# Altium PCB 10515.0500_Display_System（6拼版）_V1.0_20200907.PcbDoc (part 3 of 13)
Units mm, origin at the board's own origin, x right, y up, seen from the top; angles counter-clockwise.
Board outline 157 x 228.4 mm, 4 copper layers (Top Layer, Mid-Layer 1, Mid-Layer 2, Bottom Layer); 516 components, 0 nets, 1971 pads, 894 vias.
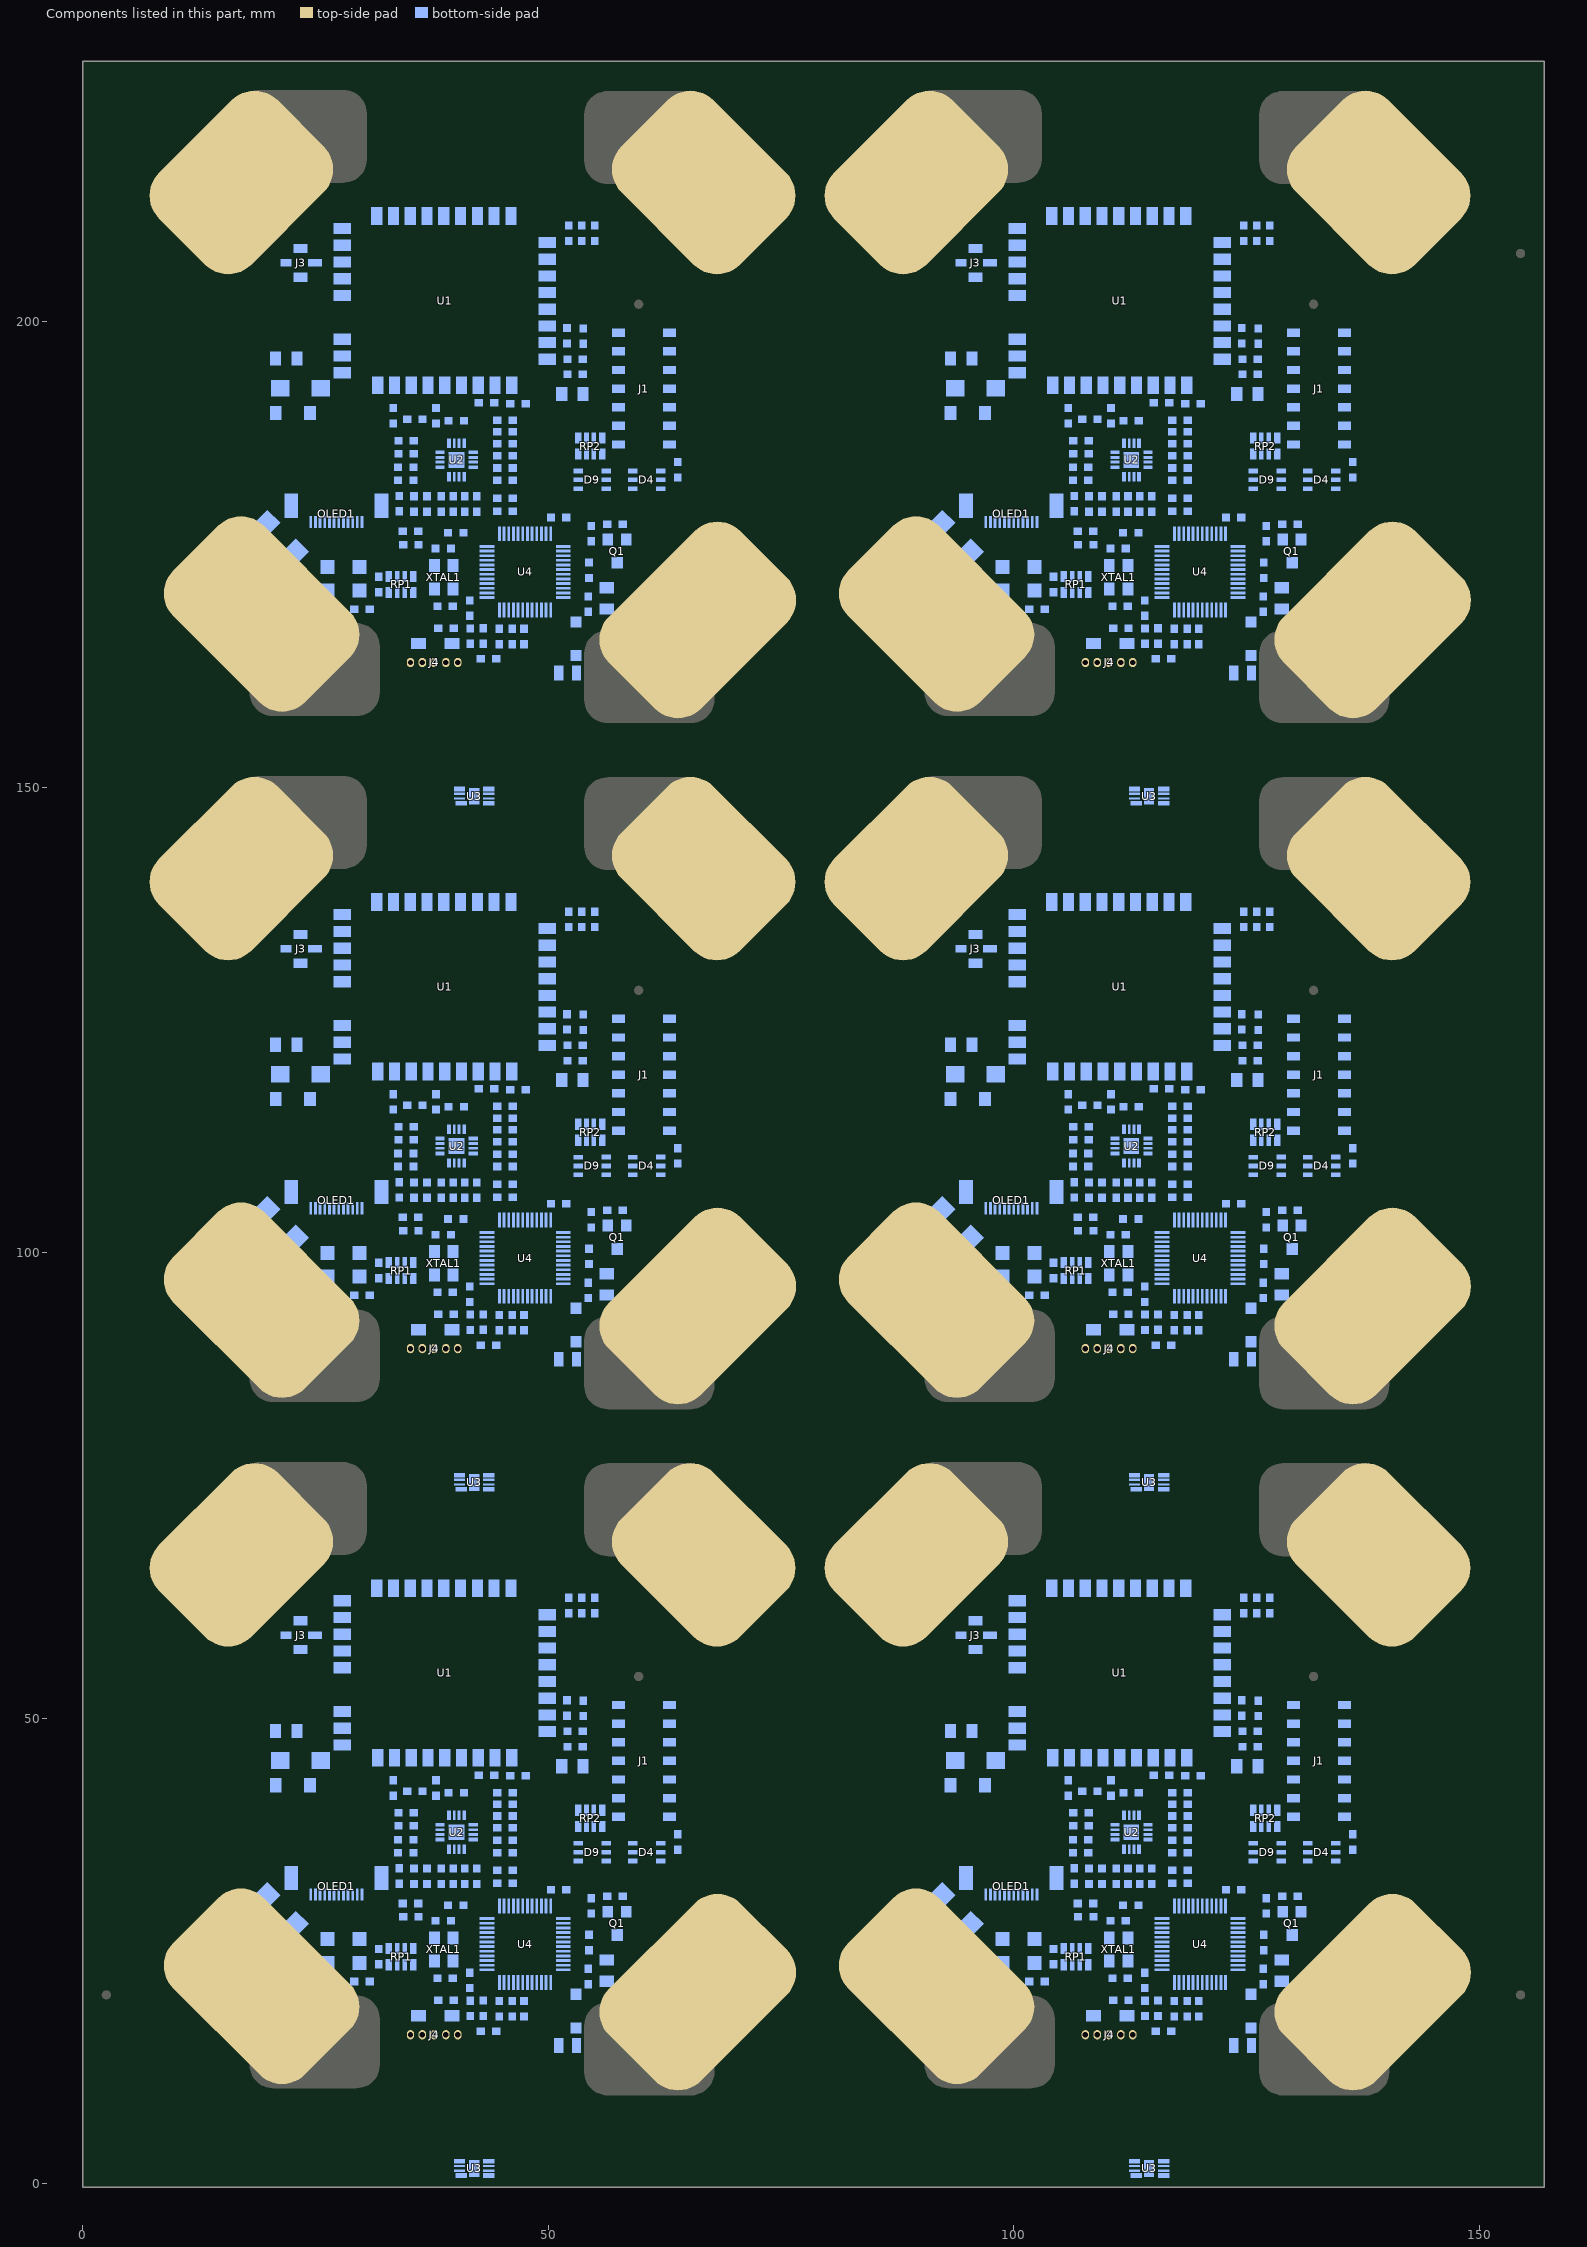
[diagram p5: the components of this part, seen from the top]

## Via types
v1: diameter 0.7, hole 0.4, Top Layer to Bottom Layer, tented both sides, 894 vias

## Nets (pads, with @x,y where several pads share a name; then routed paths per layer and width w, separated by ;. In a path a pad name is that pad's centre, name@x,y a point inside that pad or via, vN(x,y) a via of type N, cw(c..) or ccw(c..) an arc to the next point about the centre after c; other vN are vias at no path point) (continued)
copper on no net: (continued)
  Mid-Layer 1 w0.45: v1(26.452,48.895) 26.452,47.498 ; v1(26.452,122.595) 26.452,121.198 ; v1(26.452,196.295) 26.452,194.898 ; 27.595,46.355 26.452,47.498 ; 27.595,120.055 26.452,121.198 ; 27.595,193.755 26.452,194.898 ; v1(31.405,20.32) 34.199,20.32 ; v1(31.405,94.02) 34.199,94.02 ; v1(31.405,167.72) 34.199,167.72 ; 34.961,14.866 cw(c36.251,14.866) 35.339,15.778 ccw(c35.638,15.48) 35.215,15.48 ccw(c34.793,15.48) 35.092,15.778 ; 34.961,17.138 ccw(c36.251,17.138) 35.339,16.226 cw(c35.638,16.524) 35.215,16.524 cw(c34.793,16.524) 35.092,16.226 ; 34.961,88.566 cw(c36.251,88.566) 35.339,89.478 ccw(c35.638,89.18) 35.215,89.18 ccw(c34.793,89.18) 35.092,89.478 ; 34.961,90.838 ccw(c36.251,90.838) 35.339,89.926 cw(c35.638,90.224) 35.215,90.224 cw(c34.793,90.224) 35.092,89.926 ; 34.961,162.266 cw(c36.251,162.266) 35.339,163.178 ccw(c35.638,162.88) 35.215,162.88 ccw(c34.793,162.88) 35.092,163.178 ; 34.961,164.538 ccw(c36.251,164.538) 35.339,163.626 cw(c35.638,163.924) 35.215,163.924 cw(c34.793,163.924) 35.092,163.626 ; 35.215,12.446 35.914,11.747 ; 35.215,86.146 35.914,85.447 ; 35.215,159.846 35.914,159.147 ; v1(40.803,8.509) 40.803,11.43 ; v1(40.803,82.209) 40.803,85.13 ; v1(40.803,155.909) 40.803,158.83 ; 42.354,20.193 ccw(c42.354,20.928) v1@42.874,20.408 ; 42.354,93.893 ccw(c42.354,94.628) v1@42.874,94.108 ; 42.354,167.593 ccw(c42.354,168.328) v1@42.874,167.808 ; v1@43.051,20.408 ccw(c43.571,20.928) 43.571,20.193 ; v1@43.051,94.108 ccw(c43.571,94.628) 43.571,93.893 ; v1@43.051,167.808 ccw(c43.571,168.328) 43.571,167.593 ; v1@46.264,17.145 46.772,17.653 46.772,20.32 ; v1@46.264,90.845 46.772,91.353 46.772,94.02 ; v1@46.264,164.545 46.772,165.053 46.772,167.72 ; v1@46.516,17.145 cw(c47.125,17.145) 46.694,17.575 ; v1@46.516,90.845 cw(c47.125,90.845) 46.694,91.275 ; v1@46.516,164.545 cw(c47.125,164.545) 46.694,164.975 ; 50.532,20.32 35.215,20.32 ; 50.532,94.02 35.215,94.02 ; 50.532,167.72 35.215,167.72 ; 51.344,20.193 50.963,20.193 ; 51.344,93.893 50.963,93.893 ; 51.344,167.593 50.963,167.593 ; v1@51.471,17.651 ccw(c51.471,18.873) 52.335,18.009 ; v1@51.471,91.351 ccw(c51.471,92.573) 52.335,91.709 ; v1@51.471,165.051 ccw(c51.471,166.273) 52.335,165.409 ; 52.233,20.193 50.963,20.193 ; 52.233,20.32 52.233,18.288 v1(51.471,17.526) 51.852,17.526 52.36,18.034 52.36,19.431 ; 52.233,93.893 50.963,93.893 ; 52.233,94.02 52.233,91.988 v1(51.471,91.226) 51.852,91.226 52.36,91.734 52.36,93.131 ; 52.233,167.593 50.963,167.593 ; 52.233,167.72 52.233,165.688 v1(51.471,164.926) 51.852,164.926 52.36,165.434 52.36,166.831 ; 52.741,20.32 52.36,19.939 52.36,19.431 ; 52.741,94.02 52.36,93.639 52.36,93.131 ; 52.741,167.72 52.36,167.339 52.36,166.831 ; 52.868,19.939 52.36,19.431 ; 52.868,93.639 52.36,93.131 ; 52.868,167.339 52.36,166.831 ; 53.249,52.355 cw(c54.159,52.355) v1@53.516,52.998 ; 53.249,126.055 cw(c54.159,126.055) v1@53.516,126.698 ; 53.249,199.755 cw(c54.159,199.755) v1@53.516,200.398 ; v1(53.427,53.086) 53.249,53.086 53.249,47.498 ; v1(53.427,126.786) 53.249,126.786 53.249,121.198 ; v1(53.427,200.486) 53.249,200.486 53.249,194.898 ; v1(55.027,53.848) 55.027,54.991 55.408,55.372 v1(56.551,55.372) ; v1(55.027,127.548) 55.027,128.691 55.408,129.072 v1(56.551,129.072) ; v1(55.027,201.248) 55.027,202.391 55.408,202.772 v1(56.551,202.772) ; v1(98.952,48.895) 98.952,47.498 ; v1(98.952,122.595) 98.952,121.198 ; v1(98.952,196.295) 98.952,194.898 ; 100.095,46.355 98.952,47.498 ; 100.095,120.055 98.952,121.198 ; 100.095,193.755 98.952,194.898 ; v1(103.905,20.32) 106.699,20.32 ; v1(103.905,94.02) 106.699,94.02 ; v1(103.905,167.72) 106.699,167.72 ; 107.461,14.866 cw(c108.751,14.866) 107.839,15.778 ccw(c108.138,15.48) 107.715,15.48 ccw(c107.293,15.48) 107.592,15.778 ; 107.461,17.138 ccw(c108.751,17.138) 107.839,16.226 cw(c108.138,16.524) 107.715,16.524 cw(c107.293,16.524) 107.592,16.226 ; 107.461,88.566 cw(c108.751,88.566) 107.839,89.478 ccw(c108.138,89.18) 107.715,89.18 ccw(c107.293,89.18) 107.592,89.478 ; 107.461,90.838 ccw(c108.751,90.838) 107.839,89.926 cw(c108.138,90.224) 107.715,90.224 cw(c107.293,90.224) 107.592,89.926 ; 107.461,162.266 cw(c108.751,162.266) 107.839,163.178 ccw(c108.138,162.88) 107.715,162.88 ccw(c107.293,162.88) 107.592,163.178 ; 107.461,164.538 ccw(c108.751,164.538) 107.839,163.626 cw(c108.138,163.924) 107.715,163.924 cw(c107.293,163.924) 107.592,163.626 ; 107.715,12.446 108.414,11.747 ; 107.715,86.146 108.414,85.447 ; 107.715,159.846 108.414,159.147 ; v1(113.303,8.509) 113.303,11.43 ; v1(113.303,82.209) 113.303,85.13 ; v1(113.303,155.909) 113.303,158.83 ; 114.854,20.193 ccw(c114.854,20.928) v1@115.374,20.408 ; 114.854,93.893 ccw(c114.854,94.628) v1@115.374,94.108 ; 114.854,167.593 ccw(c114.854,168.328) v1@115.374,167.808 ; v1@115.551,20.408 ccw(c116.071,20.928) 116.071,20.193 ; v1@115.551,94.108 ccw(c116.071,94.628) 116.071,93.893 ; v1@115.551,167.808 ccw(c116.071,168.328) 116.071,167.593 ; v1@118.764,17.145 119.272,17.653 119.272,20.32 ; v1@118.764,90.845 119.272,91.353 119.272,94.02 ; v1@118.764,164.545 119.272,165.053 119.272,167.72 ; v1@119.016,17.145 cw(c119.625,17.145) 119.194,17.575 ; v1@119.016,90.845 cw(c119.625,90.845) 119.194,91.275 ; v1@119.016,164.545 cw(c119.625,164.545) 119.194,164.975 ; 123.032,20.32 107.715,20.32 ; 123.032,94.02 107.715,94.02 ; 123.032,167.72 107.715,167.72 ; 123.844,20.193 123.463,20.193 ; 123.844,93.893 123.463,93.893 ; 123.844,167.593 123.463,167.593 ; v1@123.971,17.651 ccw(c123.971,18.873) 124.835,18.009 ; v1@123.971,91.351 ccw(c123.971,92.573) 124.835,91.709 ; v1@123.971,165.051 ccw(c123.971,166.273) 124.835,165.409 ; 124.733,20.193 123.463,20.193 ; 124.733,20.32 124.733,18.288 v1(123.971,17.526) 124.352,17.526 124.86,18.034 124.86,19.431 ; 124.733,93.893 123.463,93.893 ; 124.733,94.02 124.733,91.988 v1(123.971,91.226) 124.352,91.226 124.86,91.734 124.86,93.131 ; 124.733,167.593 123.463,167.593 ; 124.733,167.72 124.733,165.688 v1(123.971,164.926) 124.352,164.926 124.86,165.434 124.86,166.831 ; 125.241,20.32 124.86,19.939 124.86,19.431 ; 125.241,94.02 124.86,93.639 124.86,93.131 ; 125.241,167.72 124.86,167.339 124.86,166.831 ; 125.368,19.939 124.86,19.431 ; 125.368,93.639 124.86,93.131 ; 125.368,167.339 124.86,166.831 ; 125.749,52.355 cw(c126.659,52.355) v1@126.016,52.998 ; 125.749,126.055 cw(c126.659,126.055) v1@126.016,126.698 ; 125.749,199.755 cw(c126.659,199.755) v1@126.016,200.398 ; v1(125.927,53.086) 125.749,53.086 125.749,47.498 ; v1(125.927,126.786) 125.749,126.786 125.749,121.198 ; v1(125.927,200.486) 125.749,200.486 125.749,194.898 ; v1(127.527,53.848) 127.527,54.991 127.908,55.372 v1(129.051,55.372) ; v1(127.527,127.548) 127.527,128.691 127.908,129.072 v1(129.051,129.072) ; v1(127.527,201.248) 127.527,202.391 127.908,202.772 v1(129.051,202.772) ; 26.452,47.498 26.452,46.99 27.087,46.355 52.106,46.355 ; 26.452,121.198 26.452,120.69 27.087,120.055 52.106,120.055 ; 26.452,194.898 26.452,194.39 27.087,193.755 52.106,193.755 ; 34.199,20.32 34.707,20.32 ; 34.199,20.32 34.961,19.558 34.961,12.255 35.215,12.002 ; 34.199,94.02 34.707,94.02 ; 34.199,94.02 34.961,93.258 34.961,85.955 35.215,85.701 ; 34.199,167.72 34.707,167.72 ; 34.199,167.72 34.961,166.958 34.961,159.655 35.215,159.401 ; 34.707,20.32 35.215,19.812 ; 34.707,20.32 35.215,20.32 ; 34.707,94.02 35.215,93.512 ; 34.707,94.02 35.215,94.02 ; 34.707,167.72 35.215,167.212 ; 34.707,167.72 35.215,167.72 ; 35.215,12.002 35.215,16.002 35.215,19.685 ; 35.215,12.002 35.469,11.747 ; 35.215,19.685 35.723,20.193 ; 35.215,19.685 35.215,19.812 ; 35.215,19.812 35.215,20.066 ; 35.215,20.066 35.342,20.193 35.723,20.193 ; 35.215,20.066 35.215,20.32 ; 35.215,85.701 35.215,89.702 35.215,93.385 ; 35.215,85.701 35.469,85.447 ; 35.215,93.385 35.723,93.893 ; 35.215,93.385 35.215,93.512 ; 35.215,93.512 35.215,93.766 ; 35.215,93.766 35.342,93.893 35.723,93.893 ; 35.215,93.766 35.215,94.02 ; 35.215,159.401 35.215,163.402 35.215,167.085 ; 35.215,159.401 35.469,159.147 ; 35.215,167.085 35.723,167.593 ; 35.215,167.085 35.215,167.212 ; 35.215,167.212 35.215,167.466 ; 35.215,167.466 35.342,167.593 35.723,167.593 ; 35.215,167.466 35.215,167.72 ; 35.469,11.747 35.914,11.747 ; 35.469,11.747 35.787,11.43 40.422,11.43 40.803,11.049 40.803,11.43 ; 35.469,85.447 35.914,85.447 ; 35.469,85.447 35.787,85.13 40.422,85.13 40.803,84.749 40.803,85.13 ; 35.469,159.147 35.914,159.147 ; 35.469,159.147 35.787,158.83 40.422,158.83 40.803,158.449 40.803,158.83 ; 35.723,20.193 50.963,20.193 ; 35.723,93.893 50.963,93.893 ; 35.723,167.593 50.963,167.593 ; 35.914,11.747 40.486,11.747 40.803,11.43 ; 35.914,85.447 40.486,85.447 40.803,85.13 ; 35.914,159.147 40.486,159.147 40.803,158.83 ; 52.106,46.355 52.614,46.355 53.249,46.99 53.249,47.498 ; 52.106,46.355 53.249,47.498 ; 52.106,120.055 52.614,120.055 53.249,120.69 53.249,121.198 ; 52.106,120.055 53.249,121.198 ; 52.106,193.755 52.614,193.755 53.249,194.39 53.249,194.898 ; 52.106,193.755 53.249,194.898 ; 98.952,47.498 98.952,46.99 99.587,46.355 124.606,46.355 ; 98.952,121.198 98.952,120.69 99.587,120.055 124.606,120.055 ; 98.952,194.898 98.952,194.39 99.587,193.755 124.606,193.755 ; 106.699,20.32 107.207,20.32 ; 106.699,20.32 107.461,19.558 107.461,12.255 107.715,12.002 ; 106.699,94.02 107.207,94.02 ; 106.699,94.02 107.461,93.258 107.461,85.955 107.715,85.701 ; 106.699,167.72 107.207,167.72 ; 106.699,167.72 107.461,166.958 107.461,159.655 107.715,159.401 ; 107.207,20.32 107.715,19.812 ; 107.207,20.32 107.715,20.32 ; 107.207,94.02 107.715,93.512 ; 107.207,94.02 107.715,94.02 ; 107.207,167.72 107.715,167.212 ; 107.207,167.72 107.715,167.72 ; 107.715,12.002 107.715,16.002 107.715,19.685 ; 107.715,12.002 107.969,11.747 ; 107.715,19.685 108.223,20.193 ; 107.715,19.685 107.715,19.812 ; 107.715,19.812 107.715,20.066 ; 107.715,20.066 107.842,20.193 108.223,20.193 ; 107.715,20.066 107.715,20.32 ; 107.715,85.701 107.715,89.702 107.715,93.385 ; 107.715,85.701 107.969,85.447 ; 107.715,93.385 108.223,93.893 ; 107.715,93.385 107.715,93.512 ; 107.715,93.512 107.715,93.766 ; 107.715,93.766 107.842,93.893 108.223,93.893 ; 107.715,93.766 107.715,94.02 ; 107.715,159.401 107.715,163.402 107.715,167.085 ; 107.715,159.401 107.969,159.147 ; 107.715,167.085 108.223,167.593 ; 107.715,167.085 107.715,167.212 ; 107.715,167.212 107.715,167.466 ; 107.715,167.466 107.842,167.593 108.223,167.593 ; 107.715,167.466 107.715,167.72 ; 107.969,11.747 108.414,11.747 ; 107.969,11.747 108.287,11.43 112.922,11.43 113.303,11.049 113.303,11.43 ; 107.969,85.447 108.414,85.447 ; 107.969,85.447 108.287,85.13 112.922,85.13 113.303,84.749 113.303,85.13 ; 107.969,159.147 108.414,159.147 ; 107.969,159.147 108.287,158.83 112.922,158.83 113.303,158.449 113.303,158.83 ; 108.223,20.193 123.463,20.193 ; 108.223,93.893 123.463,93.893 ; 108.223,167.593 123.463,167.593 ; 108.414,11.747 112.986,11.747 113.303,11.43 ; 108.414,85.447 112.986,85.447 113.303,85.13 ; 108.414,159.147 112.986,159.147 113.303,158.83 ; 124.606,46.355 125.114,46.355 125.749,46.99 125.749,47.498 ; 124.606,46.355 125.749,47.498 ; 124.606,120.055 125.114,120.055 125.749,120.69 125.749,121.198 ; 124.606,120.055 125.749,121.198 ; 124.606,193.755 125.114,193.755 125.749,194.39 125.749,194.898 ; 124.606,193.755 125.749,194.898
  Mid-Layer 1 w0.65: v1(31.405,20.32) 46.645,20.32 52.741,20.32 55.281,20.32 v1@57.377,22.415 ; v1(31.405,94.02) 46.645,94.02 52.741,94.02 55.281,94.02 v1@57.377,96.115 ; v1(31.405,167.72) 46.645,167.72 52.741,167.72 55.281,167.72 v1@57.377,169.815 ; v1(34.834,33.909) 40.168,33.909 ; v1(34.834,107.609) 40.168,107.609 ; v1(34.834,181.309) 40.168,181.309 ; v1(39.305,42.774) 45.756,42.774 ; v1(39.305,116.474) 45.756,116.474 ; v1(39.305,190.174) 45.756,190.174 ; v1(40.905,30.836) 40.905,33.147 ; v1(40.905,104.536) 40.905,106.847 ; v1(40.905,178.236) 40.905,180.547 ; 47.153,33.909 48.677,35.433 ; 47.153,107.609 48.677,109.133 ; 47.153,181.309 48.677,182.833 ; 48.136,43.42 48.677,42.879 ; 48.136,117.12 48.677,116.579 ; 48.136,190.82 48.677,190.279 ; 48.677,42.672 49.439,43.434 49.439,43.561 ; 48.677,43.42 48.677,35.433 ; 48.677,116.372 49.439,117.134 49.439,117.261 ; 48.677,117.12 48.677,109.133 ; 48.677,190.072 49.439,190.834 49.439,190.961 ; 48.677,190.82 48.677,182.833 ; 50.314,43.42 50.455,43.561 ; 50.314,117.12 50.455,117.261 ; 50.314,190.82 50.455,190.961 ; 50.441,43.42 50.582,43.561 ; 50.441,117.12 50.582,117.261 ; 50.441,190.82 50.582,190.961 ; v1@53.013,31.768 ccw(c53.975,32.73) 53.975,31.369 ; v1@53.013,105.468 ccw(c53.975,106.43) 53.975,105.069 ; v1@53.013,179.168 ccw(c53.975,180.13) 53.975,178.769 ; 53.357,43.42 ccw(c53.357,43.962) v1@53.74,43.579 ; 53.357,117.12 ccw(c53.357,117.662) v1@53.74,117.279 ; 53.357,190.82 ccw(c53.357,191.362) v1@53.74,190.979 ; v1@53.479,31.363 ccw(c52.995,31.254) v1(52.995,31.75) ; v1@53.479,105.063 ccw(c52.995,104.954) v1(52.995,105.45) ; v1@53.479,178.763 ccw(c52.995,178.654) v1(52.995,179.15) ; v1@53.521,31.351 cw(c54.483,30.389) 54.483,31.75 ; v1@53.521,105.051 cw(c54.483,104.089) 54.483,105.45 ; v1@53.521,178.751 cw(c54.483,177.789) 54.483,179.15 ; v1@53.775,43.579 ccw(c54.158,43.962) 54.158,43.42 ; v1@53.775,117.279 ccw(c54.158,117.662) 54.158,117.12 ; v1@53.775,190.979 ccw(c54.158,191.362) 54.158,190.82 ; v1@53.846,43.561 cw(c53.846,42.633) 54.502,43.289 ccw(c54.186,42.974) 54.186,43.42 ; v1@53.846,117.261 cw(c53.846,116.333) 54.502,116.989 ccw(c54.186,116.674) 54.186,117.12 ; v1@53.846,190.961 cw(c53.846,190.033) 54.502,190.689 ccw(c54.186,190.374) 54.186,190.82 ; v1@53.898,43.42 v1(53.757,43.561) ; v1@53.898,117.12 v1(53.757,117.261) ; v1@53.898,190.82 v1(53.757,190.961) ; 54.011,20.32 56.297,22.606 56.297,24.003 ; 54.011,94.02 56.297,96.306 56.297,97.703 ; 54.011,167.72 56.297,170.006 56.297,171.403 ; 54.519,20.32 56.297,22.098 56.297,24.003 ; v1(54.519,43.307) 55.535,42.291 ; 54.519,94.02 56.297,95.798 56.297,97.703 ; v1(54.519,117.007) 55.535,115.991 ; 54.519,167.72 56.297,169.498 56.297,171.403 ; v1(54.519,190.707) 55.535,189.691 ; v1@54.532,43.286 cw(c54.903,42.675) v1@55.408,43.18 ; v1@54.532,116.986 cw(c54.903,116.375) v1@55.408,116.88 ; v1@54.532,190.686 cw(c54.903,190.075) v1@55.408,190.58 ; v1@54.544,43.307 ccw(c55.831,43.307) 54.921,42.397 ; v1@54.544,117.007 ccw(c55.831,117.007) 54.921,116.097 ; v1@54.544,190.707 ccw(c55.831,190.707) 54.921,189.797 ; v1@54.608,43.561 cw(c54.608,42.633) v1@55.264,43.289 ; v1@54.608,117.261 cw(c54.608,116.333) v1@55.264,116.989 ; v1@54.608,190.961 cw(c54.608,190.033) v1@55.264,190.689 ; 54.646,31.75 55.535,32.639 ; 54.646,105.45 55.535,106.339 ; 54.646,179.15 55.535,180.039 ; 54.852,43.42 ccw(c54.852,42.974) 54.537,43.289 cw(c55.193,42.633) v1@55.193,43.561 ; 54.852,117.12 ccw(c54.852,116.674) 54.537,116.989 cw(c55.193,116.333) v1@55.193,117.261 ; 54.852,190.82 ccw(c54.852,190.374) 54.537,190.689 cw(c55.193,190.033) v1@55.193,190.961 ; 54.948,43.42 cw(c54.948,42.974) v1@55.264,43.289 ; 54.948,117.12 cw(c54.948,116.674) v1@55.264,116.989 ; 54.948,190.82 cw(c54.948,190.374) v1@55.264,190.689 ; v1@55.137,34.018 cw(c54.174,33.056) 55.535,33.056 ; v1@55.137,34.054 ccw(c54.174,35.016) 55.535,35.016 ; v1@55.137,107.718 cw(c54.174,106.756) 55.535,106.756 ; v1@55.137,107.754 ccw(c54.174,108.716) 55.535,108.716 ; v1@55.137,181.418 cw(c54.174,180.456) 55.535,180.456 ; v1@55.137,181.454 ccw(c54.174,182.416) 55.535,182.416 ; 55.154,32.258 v1(55.154,34.036) ; 55.154,105.958 v1(55.154,107.736) ; 55.154,179.658 v1(55.154,181.436) ; v1(55.281,43.307) v1@55.168,43.42 ; v1(55.281,117.007) v1@55.168,117.12 ; v1(55.281,190.707) v1@55.168,190.82 ; v1@55.294,43.286 cw(c55.665,42.675) 56.17,43.18 ; v1@55.294,116.986 cw(c55.665,116.375) 56.17,116.88 ; v1@55.294,190.686 cw(c55.665,190.075) 56.17,190.58 ; v1@55.295,33.796 55.535,34.036 ; v1@55.295,107.496 55.535,107.736 ; v1@55.295,181.196 55.535,181.436 ; v1@55.302,43.294 cw(c55.789,42.984) 55.789,43.561 ; v1@55.302,116.994 cw(c55.789,116.684) 55.789,117.261 ; v1@55.302,190.694 cw(c55.789,190.384) 55.789,190.961 ; 55.535,34.798 55.535,36.068 ; 55.535,41.783 v1(53.757,43.561) ; 55.535,42.633 ccw(c54.608,42.633) v1@55.264,43.289 ; 55.535,108.498 55.535,109.768 ; 55.535,115.483 v1(53.757,117.261) ; 55.535,116.333 ccw(c54.608,116.333) v1@55.264,116.989 ; 55.535,182.198 55.535,183.468 ; 55.535,189.183 v1(53.757,190.961) ; 55.535,190.033 ccw(c54.608,190.033) v1@55.264,190.689 ; 56.043,35.941 56.805,36.703 ; 56.043,37.465 56.805,36.703 ; 56.043,109.641 56.805,110.403 ; 56.043,111.165 56.805,110.403 ; 56.043,183.341 56.805,184.103 ; 56.043,184.865 56.805,184.103 ; 56.678,22.225 56.678,25.019 ; 56.678,23.622 v1(57.567,22.733) ; 56.678,24.638 56.678,25.019 ; 56.678,35.941 57.44,36.703 ; 56.678,37.465 57.44,36.703 ; 56.678,95.925 56.678,98.719 ; 56.678,97.322 v1(57.567,96.433) ; 56.678,98.338 56.678,98.719 ; 56.678,109.641 57.44,110.403 ; 56.678,111.165 57.44,110.403 ; 56.678,169.625 56.678,172.419 ; 56.678,171.022 v1(57.567,170.133) ; 56.678,172.038 56.678,172.419 ; 56.678,183.341 57.44,184.103 ; 56.678,184.865 57.44,184.103 ; 56.874,21.913 cw(c57.567,21.22) v1@57.567,22.2 ; 56.874,95.613 cw(c57.567,94.92) v1@57.567,95.9 ; 56.874,169.313 cw(c57.567,168.62) v1@57.567,169.6 ; 57.165,23.135 cw(c56.256,22.225) v1@57.542,22.225 ; 57.165,96.835 cw(c56.256,95.925) v1@57.542,95.925 ; 57.165,170.535 cw(c56.256,169.625) v1@57.542,169.625 ; v1@57.543,22.737 cw(c56.932,22.845) 56.932,22.225 v1(57.567,22.225) v1(57.567,22.733) ; v1@57.543,96.437 cw(c56.932,96.545) 56.932,95.925 v1(57.567,95.925) v1(57.567,96.433) ; v1@57.543,170.137 cw(c56.932,170.245) 56.932,169.625 v1(57.567,169.625) v1(57.567,170.133) ; v1@57.548,22.209 ccw(c56.424,21.266) 56.424,22.733 v1(57.567,22.733) ; v1@57.548,95.909 ccw(c56.424,94.966) 56.424,96.433 v1(57.567,96.433) ; v1@57.548,169.609 ccw(c56.424,168.666) 56.424,170.133 v1(57.567,170.133) ; v1(61.057,35.621) 61.057,36.261 60.615,36.703 60.107,36.703 ; v1@61.057,35.753 60.107,36.703 ; v1(61.057,109.321) 61.057,109.961 60.615,110.403 60.107,110.403 ; v1@61.057,109.453 60.107,110.403 ; v1(61.057,183.021) 61.057,183.661 60.615,184.103 60.107,184.103 ; v1@61.057,183.153 60.107,184.103 ; v1(103.905,20.32) 119.145,20.32 125.241,20.32 127.781,20.32 v1@129.877,22.415 ; v1(103.905,94.02) 119.145,94.02 125.241,94.02 127.781,94.02 v1@129.877,96.115 ; v1(103.905,167.72) 119.145,167.72 125.241,167.72 127.781,167.72 v1@129.877,169.815 ; v1(107.334,33.909) 112.668,33.909 ; v1(107.334,107.609) 112.668,107.609 ; v1(107.334,181.309) 112.668,181.309 ; v1(111.805,42.774) 118.256,42.774 ; v1(111.805,116.474) 118.256,116.474 ; v1(111.805,190.174) 118.256,190.174 ; v1(113.405,30.836) 113.405,33.147 ; v1(113.405,104.536) 113.405,106.847 ; v1(113.405,178.236) 113.405,180.547 ; 119.653,33.909 121.177,35.433 ; 119.653,107.609 121.177,109.133 ; 119.653,181.309 121.177,182.833 ; 120.636,43.42 121.177,42.879 ; 120.636,117.12 121.177,116.579 ; 120.636,190.82 121.177,190.279 ; 121.177,42.672 121.939,43.434 121.939,43.561 ; 121.177,43.42 121.177,35.433 ; 121.177,116.372 121.939,117.134 121.939,117.261 ; 121.177,117.12 121.177,109.133 ; 121.177,190.072 121.939,190.834 121.939,190.961 ; 121.177,190.82 121.177,182.833 ; 122.814,43.42 122.955,43.561 ; 122.814,117.12 122.955,117.261 ; 122.814,190.82 122.955,190.961 ; 122.941,43.42 123.082,43.561 ; 122.941,117.12 123.082,117.261 ; 122.941,190.82 123.082,190.961 ; v1@125.513,31.768 ccw(c126.475,32.73) 126.475,31.369 ; v1@125.513,105.468 ccw(c126.475,106.43) 126.475,105.069 ; v1@125.513,179.168 ccw(c126.475,180.13) 126.475,178.769 ; 125.857,43.42 ccw(c125.857,43.962) v1@126.24,43.579 ; 125.857,117.12 ccw(c125.857,117.662) v1@126.24,117.279 ; 125.857,190.82 ccw(c125.857,191.362) v1@126.24,190.979 ; v1@125.979,31.363 ccw(c125.495,31.254) v1(125.495,31.75) ; v1@125.979,105.063 ccw(c125.495,104.954) v1(125.495,105.45) ; v1@125.979,178.763 ccw(c125.495,178.654) v1(125.495,179.15) ; v1@126.021,31.351 cw(c126.983,30.389) 126.983,31.75 ; v1@126.021,105.051 cw(c126.983,104.089) 126.983,105.45 ; v1@126.021,178.751 cw(c126.983,177.789) 126.983,179.15 ; v1@126.275,43.579 ccw(c126.658,43.962) 126.658,43.42 ; v1@126.275,117.279 ccw(c126.658,117.662) 126.658,117.12 ; v1@126.275,190.979 ccw(c126.658,191.362) 126.658,190.82 ; v1@126.346,43.561 cw(c126.346,42.633) 127.002,43.289 ccw(c126.686,42.974) 126.686,43.42 ; v1@126.346,117.261 cw(c126.346,116.333) 127.002,116.989 ccw(c126.686,116.674) 126.686,117.12 ; v1@126.346,190.961 cw(c126.346,190.033) 127.002,190.689 ccw(c126.686,190.374) 126.686,190.82 ; v1@126.398,43.42 v1(126.257,43.561) ; v1@126.398,117.12 v1(126.257,117.261) ; v1@126.398,190.82 v1(126.257,190.961) ; 126.511,20.32 128.797,22.606 128.797,24.003 ; 126.511,94.02 128.797,96.306 128.797,97.703 ; 126.511,167.72 128.797,170.006 128.797,171.403 ; 127.019,20.32 128.797,22.098 128.797,24.003 ; v1(127.019,43.307) 128.035,42.291 ; 127.019,94.02 128.797,95.798 128.797,97.703 ; v1(127.019,117.007) 128.035,115.991 ; 127.019,167.72 128.797,169.498 128.797,171.403 ; v1(127.019,190.707) 128.035,189.691 ; v1@127.032,43.286 cw(c127.403,42.675) v1@127.908,43.18 ; v1@127.032,116.986 cw(c127.403,116.375) v1@127.908,116.88 ; v1@127.032,190.686 cw(c127.403,190.075) v1@127.908,190.58 ; v1@127.044,43.307 ccw(c128.331,43.307) 127.421,42.397 ; v1@127.044,117.007 ccw(c128.331,117.007) 127.421,116.097 ; v1@127.044,190.707 ccw(c128.331,190.707) 127.421,189.797 ; v1@127.108,43.561 cw(c127.108,42.633) v1@127.764,43.289 ; v1@127.108,117.261 cw(c127.108,116.333) v1@127.764,116.989 ; v1@127.108,190.961 cw(c127.108,190.033) v1@127.764,190.689 ; 127.146,31.75 128.035,32.639 ; 127.146,105.45 128.035,106.339 ; 127.146,179.15 128.035,180.039 ; 127.352,43.42 ccw(c127.352,42.974) 127.037,43.289 cw(c127.693,42.633) v1@127.693,43.561 ; 127.352,117.12 ccw(c127.352,116.674) 127.037,116.989 cw(c127.693,116.333) v1@127.693,117.261 ; 127.352,190.82 ccw(c127.352,190.374) 127.037,190.689 cw(c127.693,190.033) v1@127.693,190.961 ; 127.448,43.42 cw(c127.448,42.974) v1@127.764,43.289 ; 127.448,117.12 cw(c127.448,116.674) v1@127.764,116.989 ; 127.448,190.82 cw(c127.448,190.374) v1@127.764,190.689 ; v1@127.637,34.018 cw(c126.674,33.056) 128.035,33.056 ; v1@127.637,34.054 ccw(c126.674,35.016) 128.035,35.016 ; v1@127.637,107.718 cw(c126.674,106.756) 128.035,106.756 ; v1@127.637,107.754 ccw(c126.674,108.716) 128.035,108.716 ; v1@127.637,181.418 cw(c126.674,180.456) 128.035,180.456 ; v1@127.637,181.454 ccw(c126.674,182.416) 128.035,182.416 ; 127.654,32.258 v1(127.654,34.036) ; 127.654,105.958 v1(127.654,107.736) ; 127.654,179.658 v1(127.654,181.436) ; v1(127.781,43.307) v1@127.668,43.42 ; v1(127.781,117.007) v1@127.668,117.12 ; v1(127.781,190.707) v1@127.668,190.82 ; v1@127.794,43.286 cw(c128.165,42.675) 128.67,43.18 ; v1@127.794,116.986 cw(c128.165,116.375) 128.67,116.88 ; v1@127.794,190.686 cw(c128.165,190.075) 128.67,190.58 ; v1@127.795,33.796 128.035,34.036 ; v1@127.795,107.496 128.035,107.736 ; v1@127.795,181.196 128.035,181.436 ; v1@127.802,43.294 cw(c128.289,42.984) 128.289,43.561 ; v1@127.802,116.994 cw(c128.289,116.684) 128.289,117.261 ; v1@127.802,190.694 cw(c128.289,190.384) 128.289,190.961 ; 128.035,34.798 128.035,36.068 ; 128.035,41.783 v1(126.257,43.561) ; 128.035,42.633 ccw(c127.108,42.633) v1@127.764,43.289 ; 128.035,108.498 128.035,109.768 ; 128.035,115.483 v1(126.257,117.261) ; 128.035,116.333 ccw(c127.108,116.333) v1@127.764,116.989 ; 128.035,182.198 128.035,183.468 ; 128.035,189.183 v1(126.257,190.961) ; 128.035,190.033 ccw(c127.108,190.033) v1@127.764,190.689 ; 128.543,35.941 129.305,36.703 ; 128.543,37.465 129.305,36.703 ; 128.543,109.641 129.305,110.403 ; 128.543,111.165 129.305,110.403 ; 128.543,183.341 129.305,184.103 ; 128.543,184.865 129.305,184.103 ; 129.178,22.225 129.178,25.019 ; 129.178,23.622 v1(130.067,22.733) ; 129.178,24.638 129.178,25.019 ; 129.178,35.941 129.94,36.703 ; 129.178,37.465 129.94,36.703 ; 129.178,95.925 129.178,98.719 ; 129.178,97.322 v1(130.067,96.433) ; 129.178,98.338 129.178,98.719 ; 129.178,109.641 129.94,110.403 ; 129.178,111.165 129.94,110.403 ; 129.178,169.625 129.178,172.419 ; 129.178,171.022 v1(130.067,170.133) ; 129.178,172.038 129.178,172.419 ; 129.178,183.341 129.94,184.103 ; 129.178,184.865 129.94,184.103 ; 129.374,21.913 cw(c130.067,21.22) v1@130.067,22.2 ; 129.374,95.613 cw(c130.067,94.92) v1@130.067,95.9 ; 129.374,169.313 cw(c130.067,168.62) v1@130.067,169.6 ; 129.665,23.135 cw(c128.756,22.225) v1@130.042,22.225 ; 129.665,96.835 cw(c128.756,95.925) v1@130.042,95.925 ; 129.665,170.535 cw(c128.756,169.625) v1@130.042,169.625 ; v1@130.043,22.737 cw(c129.432,22.845) 129.432,22.225 v1(130.067,22.225) v1(130.067,22.733) ; v1@130.043,96.437 cw(c129.432,96.545) 129.432,95.925 v1(130.067,95.925) v1(130.067,96.433) ; v1@130.043,170.137 cw(c129.432,170.245) 129.432,169.625 v1(130.067,169.625) v1(130.067,170.133) ; v1@130.048,22.209 ccw(c128.924,21.266) 128.924,22.733 v1(130.067,22.733) ; v1@130.048,95.909 ccw(c128.924,94.966) 128.924,96.433 v1(130.067,96.433) ; v1@130.048,169.609 ccw(c128.924,168.666) 128.924,170.133 v1(130.067,170.133) ; v1(133.557,35.621) 133.557,36.261 133.115,36.703 132.607,36.703 ; v1@133.557,35.753 132.607,36.703 ; v1(133.557,109.321) 133.557,109.961 133.115,110.403 132.607,110.403 ; v1@133.557,109.453 132.607,110.403 ; v1(133.557,183.021) 133.557,183.661 133.115,184.103 132.607,184.103 ; v1@133.557,183.153 132.607,184.103 ; 40.168,33.909 40.905,33.909 ; 40.168,33.909 40.905,33.172 ; 40.168,107.609 40.905,107.609 ; 40.168,107.609 40.905,106.872 ; 40.168,181.309 40.905,181.309 ; 40.168,181.309 40.905,180.572 ; 40.905,33.147 40.905,33.172 ; 40.905,33.147 41.667,33.909 ; 40.905,33.172 40.905,33.909 ; 40.905,33.909 41.667,33.909 ; 40.905,106.847 40.905,106.872 ; 40.905,106.847 41.667,107.609 ; 40.905,106.872 40.905,107.609 ; 40.905,107.609 41.667,107.609 ; 40.905,180.547 40.905,180.572 ; 40.905,180.547 41.667,181.309 ; 40.905,180.572 40.905,181.309 ; 40.905,181.309 41.667,181.309 ; 41.667,33.909 v1(43.216,33.909) 47.788,33.909 48.677,34.798 48.677,35.433 ; 41.667,107.609 v1(43.216,107.609) 47.788,107.609 48.677,108.498 48.677,109.133 ; 41.667,181.309 v1(43.216,181.309) 47.788,181.309 48.677,182.198 48.677,182.833 ; 45.756,42.774 46.544,43.561 47.153,43.561 ; 45.756,42.774 46.366,42.774 ; 45.756,116.474 46.544,117.261 47.153,117.261 ; 45.756,116.474 46.366,116.474 ; 45.756,190.174 46.544,190.961 47.153,190.961 ; 45.756,190.174 46.366,190.174 ; 46.366,42.774 47.153,43.561 ; 46.366,42.774 47.012,43.42 v1@55.168,43.42 ; 46.366,116.474 47.153,117.261 ; 46.366,116.474 47.012,117.12 v1@55.168,117.12 ; 46.366,190.174 47.153,190.961 ; 46.366,190.174 47.012,190.82 v1@55.168,190.82 ; 47.153,43.561 49.439,43.561 ; 47.153,117.261 49.439,117.261 ; 47.153,190.961 49.439,190.961 ; 49.439,43.561 50.455,43.561 ; 49.439,117.261 50.455,117.261 ; 49.439,190.961 50.455,190.961 ; 50.455,43.561 50.582,43.561 ; 50.455,117.261 50.582,117.261 ; 50.455,190.961 50.582,190.961 ; 50.582,43.561 52.106,43.561 ; 50.582,117.261 52.106,117.261 ; 50.582,190.961 52.106,190.961 ; 52.106,43.561 v1(53.757,43.561) ; 52.106,43.561 55.027,43.561 ; 52.106,117.261 v1(53.757,117.261) ; 52.106,117.261 55.027,117.261 ; 52.106,190.961 v1(53.757,190.961) ; 52.106,190.961 55.027,190.961 ; v1(52.995,31.75) 55.154,31.75 55.535,32.131 55.535,32.639 ; v1(52.995,31.75) 53.376,31.369 55.408,31.369 ; v1(52.995,105.45) 55.154,105.45 55.535,105.831 55.535,106.339 ; v1(52.995,105.45) 53.376,105.069 55.408,105.069 ; v1(52.995,179.15) 55.154,179.15 55.535,179.531 55.535,180.039 ; v1(52.995,179.15) 53.376,178.769 55.408,178.769 ; 55.027,43.561 ccw(c55.027,42.984) 54.54,43.294 cw(c55.027,42.984) 55.027,43.561 ; 55.027,43.561 v1@55.168,43.42 ; 55.027,43.561 55.789,43.561 ; 55.027,117.261 ccw(c55.027,116.684) 54.54,116.994 cw(c55.027,116.684) 55.027,117.261 ; 55.027,117.261 v1@55.168,117.12 ; 55.027,117.261 55.789,117.261 ; 55.027,190.961 ccw(c55.027,190.384) 54.54,190.694 cw(c55.027,190.384) 55.027,190.961 ; 55.027,190.961 v1@55.168,190.82 ; 55.027,190.961 55.789,190.961 ; v1@55.168,43.42 55.535,43.053 55.535,36.703 ; v1@55.168,117.12 55.535,116.753 55.535,110.403 ; v1@55.168,190.82 55.535,190.453 55.535,184.103 ; 55.408,31.369 56.043,32.004 ; 55.408,31.369 56.043,31.369 ; 55.408,31.369 56.297,30.48 56.297,24.003 ; 55.408,105.069 56.043,105.704 ; 55.408,105.069 56.043,105.069 ; 55.408,105.069 56.297,104.18 56.297,97.703 ; 55.408,178.769 56.043,179.404 ; 55.408,178.769 56.043,178.769 ; 55.408,178.769 56.297,177.88 56.297,171.403 ; 55.535,32.639 55.535,36.068 ; 55.535,36.068 55.535,36.703 ; 55.535,36.703 56.805,36.703 ; 55.535,106.339 55.535,109.768 ; 55.535,109.768 55.535,110.403 ; 55.535,110.403 56.805,110.403 ; 55.535,180.039 55.535,183.468 ; 55.535,183.468 55.535,184.103 ; 55.535,184.103 56.805,184.103 ; 55.789,43.561 56.043,43.307 ; 55.789,117.261 56.043,117.007 ; 55.789,190.961 56.043,190.707 ; 56.043,31.369 56.678,30.734 ; 56.043,31.369 56.043,32.385 ; 56.043,32.004 56.043,32.385 ; 56.043,32.004 56.678,31.369 ; 56.043,32.385 56.043,43.307 ; 56.043,43.307 56.678,42.672 56.678,31.369 ; 56.043,105.069 56.678,104.434 ; 56.043,105.069 56.043,106.085 ; 56.043,105.704 56.043,106.085 ; 56.043,105.704 56.678,105.069 ; 56.043,106.085 56.043,117.007 ; 56.043,117.007 56.678,116.372 56.678,105.069 ; 56.043,178.769 56.678,178.134 ; 56.043,178.769 56.043,179.785 ; 56.043,179.404 56.043,179.785 ; 56.043,179.404 56.678,178.769 ; 56.043,179.785 56.043,190.707 ; 56.043,190.707 56.678,190.072 56.678,178.769 ; 56.678,25.019 56.678,30.734 ; 56.678,30.734 56.678,31.369 ; 56.678,98.719 56.678,104.434 ; 56.678,104.434 56.678,105.069 ; 56.678,172.419 56.678,178.134 ; 56.678,178.134 56.678,178.769 ; 56.805,36.703 57.44,36.703 ; 56.805,110.403 57.44,110.403 ; 56.805,184.103 57.44,184.103 ; 57.44,36.703 60.107,36.703 ; 57.44,110.403 60.107,110.403 ; 57.44,184.103 60.107,184.103 ; 112.668,33.909 113.405,33.909 ; 112.668,33.909 113.405,33.172 ; 112.668,107.609 113.405,107.609 ; 112.668,107.609 113.405,106.872 ; 112.668,181.309 113.405,181.309 ; 112.668,181.309 113.405,180.572 ; 113.405,33.147 113.405,33.172 ; 113.405,33.147 114.167,33.909 ; 113.405,33.172 113.405,33.909 ; 113.405,33.909 114.167,33.909 ; 113.405,106.847 113.405,106.872 ; 113.405,106.847 114.167,107.609 ; 113.405,106.872 113.405,107.609 ; 113.405,107.609 114.167,107.609 ; 113.405,180.547 113.405,180.572 ; 113.405,180.547 114.167,181.309 ; 113.405,180.572 113.405,181.309 ; 113.405,181.309 114.167,181.309 ; 114.167,33.909 v1(115.716,33.909) 120.288,33.909 121.177,34.798 121.177,35.433 ; 114.167,107.609 v1(115.716,107.609) 120.288,107.609 121.177,108.498 121.177,109.133 ; 114.167,181.309 v1(115.716,181.309) 120.288,181.309 121.177,182.198 121.177,182.833 ; 118.256,42.774 119.044,43.561 119.653,43.561 ; 118.256,42.774 118.866,42.774 ; 118.256,116.474 119.044,117.261 119.653,117.261 ; 118.256,116.474 118.866,116.474 ; 118.256,190.174 119.044,190.961 119.653,190.961 ; 118.256,190.174 118.866,190.174 ; 118.866,42.774 119.653,43.561 ; 118.866,42.774 119.512,43.42 v1@127.668,43.42 ; 118.866,116.474 119.653,117.261 ; 118.866,116.474 119.512,117.12 v1@127.668,117.12 ; 118.866,190.174 119.653,190.961 ; 118.866,190.174 119.512,190.82 v1@127.668,190.82 ; 119.653,43.561 121.939,43.561 ; 119.653,117.261 121.939,117.261 ; 119.653,190.961 121.939,190.961 ; 121.939,43.561 122.955,43.561 ; 121.939,117.261 122.955,117.261 ; 121.939,190.961 122.955,190.961 ; 122.955,43.561 123.082,43.561 ; 122.955,117.261 123.082,117.261 ; 122.955,190.961 123.082,190.961 ; 123.082,43.561 124.606,43.561 ; 123.082,117.261 124.606,117.261 ; 123.082,190.961 124.606,190.961 ; 124.606,43.561 v1(126.257,43.561) ; 124.606,43.561 127.527,43.561 ; 124.606,117.261 v1(126.257,117.261) ; 124.606,117.261 127.527,117.261 ; 124.606,190.961 v1(126.257,190.961) ; 124.606,190.961 127.527,190.961 ; v1(125.495,31.75) 127.654,31.75 128.035,32.131 128.035,32.639 ; v1(125.495,31.75) 125.876,31.369 127.908,31.369 ; v1(125.495,105.45) 127.654,105.45 128.035,105.831 128.035,106.339 ; v1(125.495,105.45) 125.876,105.069 127.908,105.069 ; v1(125.495,179.15) 127.654,179.15 128.035,179.531 128.035,180.039 ; v1(125.495,179.15) 125.876,178.769 127.908,178.769 ; 127.527,43.561 ccw(c127.527,42.984) 127.04,43.294 cw(c127.527,42.984) 127.527,43.561 ; 127.527,43.561 v1@127.668,43.42 ; 127.527,43.561 128.289,43.561 ; 127.527,117.261 ccw(c127.527,116.684) 127.04,116.994 cw(c127.527,116.684) 127.527,117.261 ; 127.527,117.261 v1@127.668,117.12 ; 127.527,117.261 128.289,117.261 ; 127.527,190.961 ccw(c127.527,190.384) 127.04,190.694 cw(c127.527,190.384) 127.527,190.961 ; 127.527,190.961 v1@127.668,190.82 ; 127.527,190.961 128.289,190.961 ; v1@127.668,43.42 128.035,43.053 128.035,36.703 ; v1@127.668,117.12 128.035,116.753 128.035,110.403 ; v1@127.668,190.82 128.035,190.453 128.035,184.103 ; 127.908,31.369 128.543,32.004 ; 127.908,31.369 128.543,31.369 ; 127.908,31.369 128.797,30.48 128.797,24.003 ; 127.908,105.069 128.543,105.704 ; 127.908,105.069 128.543,105.069 ; 127.908,105.069 128.797,104.18 128.797,97.703 ; 127.908,178.769 128.543,179.404 ; 127.908,178.769 128.543,178.769 ; 127.908,178.769 128.797,177.88 128.797,171.403 ; 128.035,32.639 128.035,36.068 ; 128.035,36.068 128.035,36.703 ; 128.035,36.703 129.305,36.703 ; 128.035,106.339 128.035,109.768 ; 128.035,109.768 128.035,110.403 ; 128.035,110.403 129.305,110.403 ; 128.035,180.039 128.035,183.468 ; 128.035,183.468 128.035,184.103 ; 128.035,184.103 129.305,184.103 ; 128.289,43.561 128.543,43.307 ; 128.289,117.261 128.543,117.007 ; 128.289,190.961 128.543,190.707 ; 128.543,31.369 129.178,30.734 ; 128.543,31.369 128.543,32.385 ; 128.543,32.004 128.543,32.385 ; 128.543,32.004 129.178,31.369 ; 128.543,32.385 128.543,43.307 ; 128.543,43.307 129.178,42.672 129.178,31.369 ; 128.543,105.069 129.178,104.434 ; 128.543,105.069 128.543,106.085 ; 128.543,105.704 128.543,106.085 ; 128.543,105.704 129.178,105.069 ; 128.543,106.085 128.543,117.007 ; 128.543,117.007 129.178,116.372 129.178,105.069 ; 128.543,178.769 129.178,178.134 ; 128.543,178.769 128.543,179.785 ; 128.543,179.404 128.543,179.785 ; 128.543,179.404 129.178,178.769 ; 128.543,179.785 128.543,190.707 ; 128.543,190.707 129.178,190.072 129.178,178.769 ; 129.178,25.019 129.178,30.734 ; 129.178,30.734 129.178,31.369 ; 129.178,98.719 129.178,104.434 ; 129.178,104.434 129.178,105.069 ; 129.178,172.419 129.178,178.134 ; 129.178,178.134 129.178,178.769 ; 129.305,36.703 129.94,36.703 ; 129.305,110.403 129.94,110.403 ; 129.305,184.103 129.94,184.103 ; 129.94,36.703 132.607,36.703 ; 129.94,110.403 132.607,110.403 ; 129.94,184.103 132.607,184.103 ; v1@54.527,43.283 cw(c54.839,42.329) 55.549,43.039 ccw(c54.839,42.329) v1@54.527,43.283 ; v1@54.527,116.983 cw(c54.839,116.029) 55.549,116.739 ccw(c54.839,116.029) v1@54.527,116.983 ; v1@54.527,190.683 cw(c54.839,189.729) 55.549,190.439 ccw(c54.839,189.729) v1@54.527,190.683 ; v1@127.027,43.283 cw(c127.339,42.329) 128.049,43.039 ccw(c127.339,42.329) v1@127.027,43.283 ; v1@127.027,116.983 cw(c127.339,116.029) 128.049,116.739 ccw(c127.339,116.029) v1@127.027,116.983 ; v1@127.027,190.683 cw(c127.339,189.729) 128.049,190.439 ccw(c127.339,189.729) v1@127.027,190.683
  Mid-Layer 1 w0.8: v1(25.309,48.641) 25.309,46.355 ; v1(25.309,122.341) 25.309,120.055 ; v1(25.309,196.041) 25.309,193.755 ; 26.134,45.53 25.309,46.355 ; 26.134,119.23 25.309,120.055 ; 26.134,192.93 25.309,193.755 ; 53.313,45.53 54.71,46.926 ; 53.313,119.23 54.71,120.626 ; 53.313,192.93 54.71,194.326 ; 54.71,47.943 cw(c56.107,47.943) 55.119,48.93 ; 54.71,48.446 cw(c55.213,48.446) 55.148,48.945 ; 54.71,48.831 54.71,48.006 ; 54.71,121.643 cw(c56.107,121.643) 55.119,122.63 ; 54.71,122.146 cw(c55.213,122.146) 55.148,122.645 ; 54.71,122.531 54.71,121.706 ; 54.71,195.343 cw(c56.107,195.343) 55.119,196.33 ; 54.71,195.846 cw(c55.213,195.846) 55.148,196.345 ; 54.71,196.231 54.71,195.406 ; 55.154,47.879 55.154,47.371 ; 55.154,121.579 55.154,121.071 ; 55.154,195.279 55.154,194.771 ; 56.043,51.435 55.154,50.546 55.154,49.784 ; 56.043,125.135 55.154,124.246 55.154,123.484 ; 56.043,198.835 55.154,197.946 55.154,197.184 ; 58.202,50.8 58.837,50.8 v1(59.472,51.435) ; 58.202,124.5 58.837,124.5 v1(59.472,125.135) ; 58.202,198.2 58.837,198.2 v1(59.472,198.835) ; v1@58.679,51.396 ccw(c59.054,51.853) v1(59.472,51.435) ; v1@58.679,125.096 ccw(c59.054,125.553) v1(59.472,125.135) ; v1@58.679,198.796 ccw(c59.054,199.253) v1(59.472,198.835) ; v1(97.809,48.641) 97.809,46.355 ; v1(97.809,122.341) 97.809,120.055 ; v1(97.809,196.041) 97.809,193.755 ; 98.634,45.53 97.809,46.355 ; 98.634,119.23 97.809,120.055 ; 98.634,192.93 97.809,193.755 ; 125.813,45.53 127.21,46.926 ; 125.813,119.23 127.21,120.626 ; 125.813,192.93 127.21,194.326 ; 127.21,47.943 cw(c128.607,47.943) 127.619,48.93 ; 127.21,48.446 cw(c127.713,48.446) 127.648,48.945 ; 127.21,48.831 127.21,48.006 ; 127.21,121.643 cw(c128.607,121.643) 127.619,122.63 ; 127.21,122.146 cw(c127.713,122.146) 127.648,122.645 ; 127.21,122.531 127.21,121.706 ; 127.21,195.343 cw(c128.607,195.343) 127.619,196.33 ; 127.21,195.846 cw(c127.713,195.846) 127.648,196.345 ; 127.21,196.231 127.21,195.406 ; 127.654,47.879 127.654,47.371 ; 127.654,121.579 127.654,121.071 ; 127.654,195.279 127.654,194.771 ; 128.543,51.435 127.654,50.546 127.654,49.784 ; 128.543,125.135 127.654,124.246 127.654,123.484 ; 128.543,198.835 127.654,197.946 127.654,197.184 ; 130.702,50.8 131.337,50.8 v1(131.972,51.435) ; 130.702,124.5 131.337,124.5 v1(131.972,125.135) ; 130.702,198.2 131.337,198.2 v1(131.972,198.835) ; v1@131.179,51.396 ccw(c131.554,51.853) v1(131.972,51.435) ; v1@131.179,125.096 ccw(c131.554,125.553) v1(131.972,125.135) ; v1@131.179,198.796 ccw(c131.554,199.253) v1(131.972,198.835) ; 25.309,46.355 25.309,45.847 25.626,45.53 50.963,45.53 53.948,45.53 55.154,46.736 55.154,47.371 ; 25.309,120.055 25.309,119.547 25.626,119.23 50.963,119.23 53.948,119.23 55.154,120.436 55.154,121.071 ; 25.309,193.755 25.309,193.247 25.626,192.93 50.963,192.93 53.948,192.93 55.154,194.136 55.154,194.771 ; 54.71,46.926 54.71,48.006 ; 54.71,46.926 55.154,47.371 ; 54.71,48.006 54.71,50.736 55.408,51.435 v1(58.71,51.435) ; 54.71,120.626 54.71,121.706 ; 54.71,120.626 55.154,121.071 ; 54.71,121.706 54.71,124.436 55.408,125.135 v1(58.71,125.135) ; 54.71,194.326 54.71,195.406 ; 54.71,194.326 55.154,194.771 ; 54.71,195.406 54.71,198.136 55.408,198.835 v1(58.71,198.835) ; 55.154,47.371 55.154,49.784 ; 55.154,49.784 56.17,50.8 58.075,50.8 v1(58.71,51.435) ; 55.154,121.071 55.154,123.484 ; 55.154,123.484 56.17,124.5 58.075,124.5 v1(58.71,125.135) ; 55.154,194.771 55.154,197.184 ; 55.154,197.184 56.17,198.2 58.075,198.2 v1(58.71,198.835) ; v1(58.71,51.435) v1(59.472,51.435) ; v1(58.71,125.135) v1(59.472,125.135) ; v1(58.71,198.835) v1(59.472,198.835) ; 97.809,46.355 97.809,45.847 98.126,45.53 123.463,45.53 126.448,45.53 127.654,46.736 127.654,47.371 ; 97.809,120.055 97.809,119.547 98.126,119.23 123.463,119.23 126.448,119.23 127.654,120.436 127.654,121.071 ; 97.809,193.755 97.809,193.247 98.126,192.93 123.463,192.93 126.448,192.93 127.654,194.136 127.654,194.771 ; 127.21,46.926 127.21,48.006 ; 127.21,46.926 127.654,47.371 ; 127.21,48.006 127.21,50.736 127.908,51.435 v1(131.21,51.435) ; 127.21,120.626 127.21,121.706 ; 127.21,120.626 127.654,121.071 ; 127.21,121.706 127.21,124.436 127.908,125.135 v1(131.21,125.135) ; 127.21,194.326 127.21,195.406 ; 127.21,194.326 127.654,194.771 ; 127.21,195.406 127.21,198.136 127.908,198.835 v1(131.21,198.835) ; 127.654,47.371 127.654,49.784 ; 127.654,49.784 128.67,50.8 130.575,50.8 v1(131.21,51.435) ; 127.654,121.071 127.654,123.484 ; 127.654,123.484 128.67,124.5 130.575,124.5 v1(131.21,125.135) ; 127.654,194.771 127.654,197.184 ; 127.654,197.184 128.67,198.2 130.575,198.2 v1(131.21,198.835) ; v1(131.21,51.435) v1(131.972,51.435) ; v1(131.21,125.135) v1(131.972,125.135) ; v1(131.21,198.835) v1(131.972,198.835)
  Mid-Layer 2 w0.2: v1@52.183,34.848 ccw(c51.757,35.275) 52.36,35.275 ccw(c52.964,35.275) v1@52.537,34.848 ; v1@52.183,108.548 ccw(c51.757,108.975) 52.36,108.975 ccw(c52.964,108.975) v1@52.537,108.548 ; v1@52.183,182.248 ccw(c51.757,182.675) 52.36,182.675 ccw(c52.964,182.675) v1@52.537,182.248 ; v1(52.36,34.671) 52.36,37.084 52.741,37.465 v1(54.119,37.465) ; v1(52.36,108.371) 52.36,110.784 52.741,111.165 v1(54.119,111.165) ; v1(52.36,182.071) 52.36,184.484 52.741,184.865 v1(54.119,184.865) ; v1@53.942,37.288 ccw(c53.516,36.861) 53.516,37.465 ccw(c53.516,38.069) v1@53.942,37.642 ; v1@53.942,110.988 ccw(c53.516,110.561) 53.516,111.165 ccw(c53.516,111.769) v1@53.942,111.342 ; v1@53.942,184.688 ccw(c53.516,184.261) 53.516,184.865 ccw(c53.516,185.469) v1@53.942,185.042 ; v1@54.215,34.848 ccw(c53.789,35.275) 54.392,35.275 ccw(c54.996,35.275) v1@54.569,34.848 ; v1@54.215,108.548 ccw(c53.789,108.975) 54.392,108.975 ccw(c54.996,108.975) v1@54.569,108.548 ; v1@54.215,182.248 ccw(c53.789,182.675) 54.392,182.675 ccw(c54.996,182.675) v1@54.569,182.248 ; v1@54.392,34.798 54.392,35.56 54.519,35.687 57.553,35.687 ; v1@54.392,108.498 54.392,109.26 54.519,109.387 57.553,109.387 ; v1@54.392,182.198 54.392,182.96 54.519,183.087 57.553,183.087 ; 57.614,35.621 v1(59.919,35.621) ; 57.614,109.321 v1(59.919,109.321) ; 57.614,183.021 v1(59.919,183.021) ; v1@59.742,35.444 ccw(c59.316,35.017) 59.316,35.621 ccw(c59.316,36.225) v1@59.742,35.798 ; v1@59.742,109.144 ccw(c59.316,108.717) 59.316,109.321 ccw(c59.316,109.925) v1@59.742,109.498 ; v1@59.742,182.844 ccw(c59.316,182.417) 59.316,183.021 ccw(c59.316,183.625) v1@59.742,183.198 ; v1@124.683,34.848 ccw(c124.257,35.275) 124.86,35.275 ccw(c125.464,35.275) v1@125.037,34.848 ; v1@124.683,108.548 ccw(c124.257,108.975) 124.86,108.975 ccw(c125.464,108.975) v1@125.037,108.548 ; v1@124.683,182.248 ccw(c124.257,182.675) 124.86,182.675 ccw(c125.464,182.675) v1@125.037,182.248 ; v1(124.86,34.671) 124.86,37.084 125.241,37.465 v1(126.619,37.465) ; v1(124.86,108.371) 124.86,110.784 125.241,111.165 v1(126.619,111.165) ; v1(124.86,182.071) 124.86,184.484 125.241,184.865 v1(126.619,184.865) ; v1@126.442,37.288 ccw(c126.016,36.861) 126.016,37.465 ccw(c126.016,38.069) v1@126.442,37.642 ; v1@126.442,110.988 ccw(c126.016,110.561) 126.016,111.165 ccw(c126.016,111.769) v1@126.442,111.342 ; v1@126.442,184.688 ccw(c126.016,184.261) 126.016,184.865 ccw(c126.016,185.469) v1@126.442,185.042 ; v1@126.715,34.848 ccw(c126.289,35.275) 126.892,35.275 ccw(c127.496,35.275) v1@127.069,34.848 ; v1@126.715,108.548 ccw(c126.289,108.975) 126.892,108.975 ccw(c127.496,108.975) v1@127.069,108.548 ; v1@126.715,182.248 ccw(c126.289,182.675) 126.892,182.675 ccw(c127.496,182.675) v1@127.069,182.248 ; v1@126.892,34.798 126.892,35.56 127.019,35.687 130.053,35.687 ; v1@126.892,108.498 126.892,109.26 127.019,109.387 130.053,109.387 ; v1@126.892,182.198 126.892,182.96 127.019,183.087 130.053,183.087 ; 130.114,35.621 v1(132.419,35.621) ; 130.114,109.321 v1(132.419,109.321) ; 130.114,183.021 v1(132.419,183.021) ; v1@132.242,35.444 ccw(c131.816,35.017) 131.816,35.621 ccw(c131.816,36.225) v1@132.242,35.798 ; v1@132.242,109.144 ccw(c131.816,108.717) 131.816,109.321 ccw(c131.816,109.925) v1@132.242,109.498 ; v1@132.242,182.844 ccw(c131.816,182.417) 131.816,183.021 ccw(c131.816,183.625) v1@132.242,183.198